# Altium PCB V1_PCB-main.PcbDoc (part 7 of 7)
Units mm, origin at the board's own origin, x right, y up, seen from the top; angles counter-clockwise.
Board outline 178 x 75 mm, 4 copper layers (Top Layer, Inner layer 1, Inner layer 2, Bottom Layer), stack 1.596 mm thick; 451 components, 230 nets, 1388 pads, 724 vias.
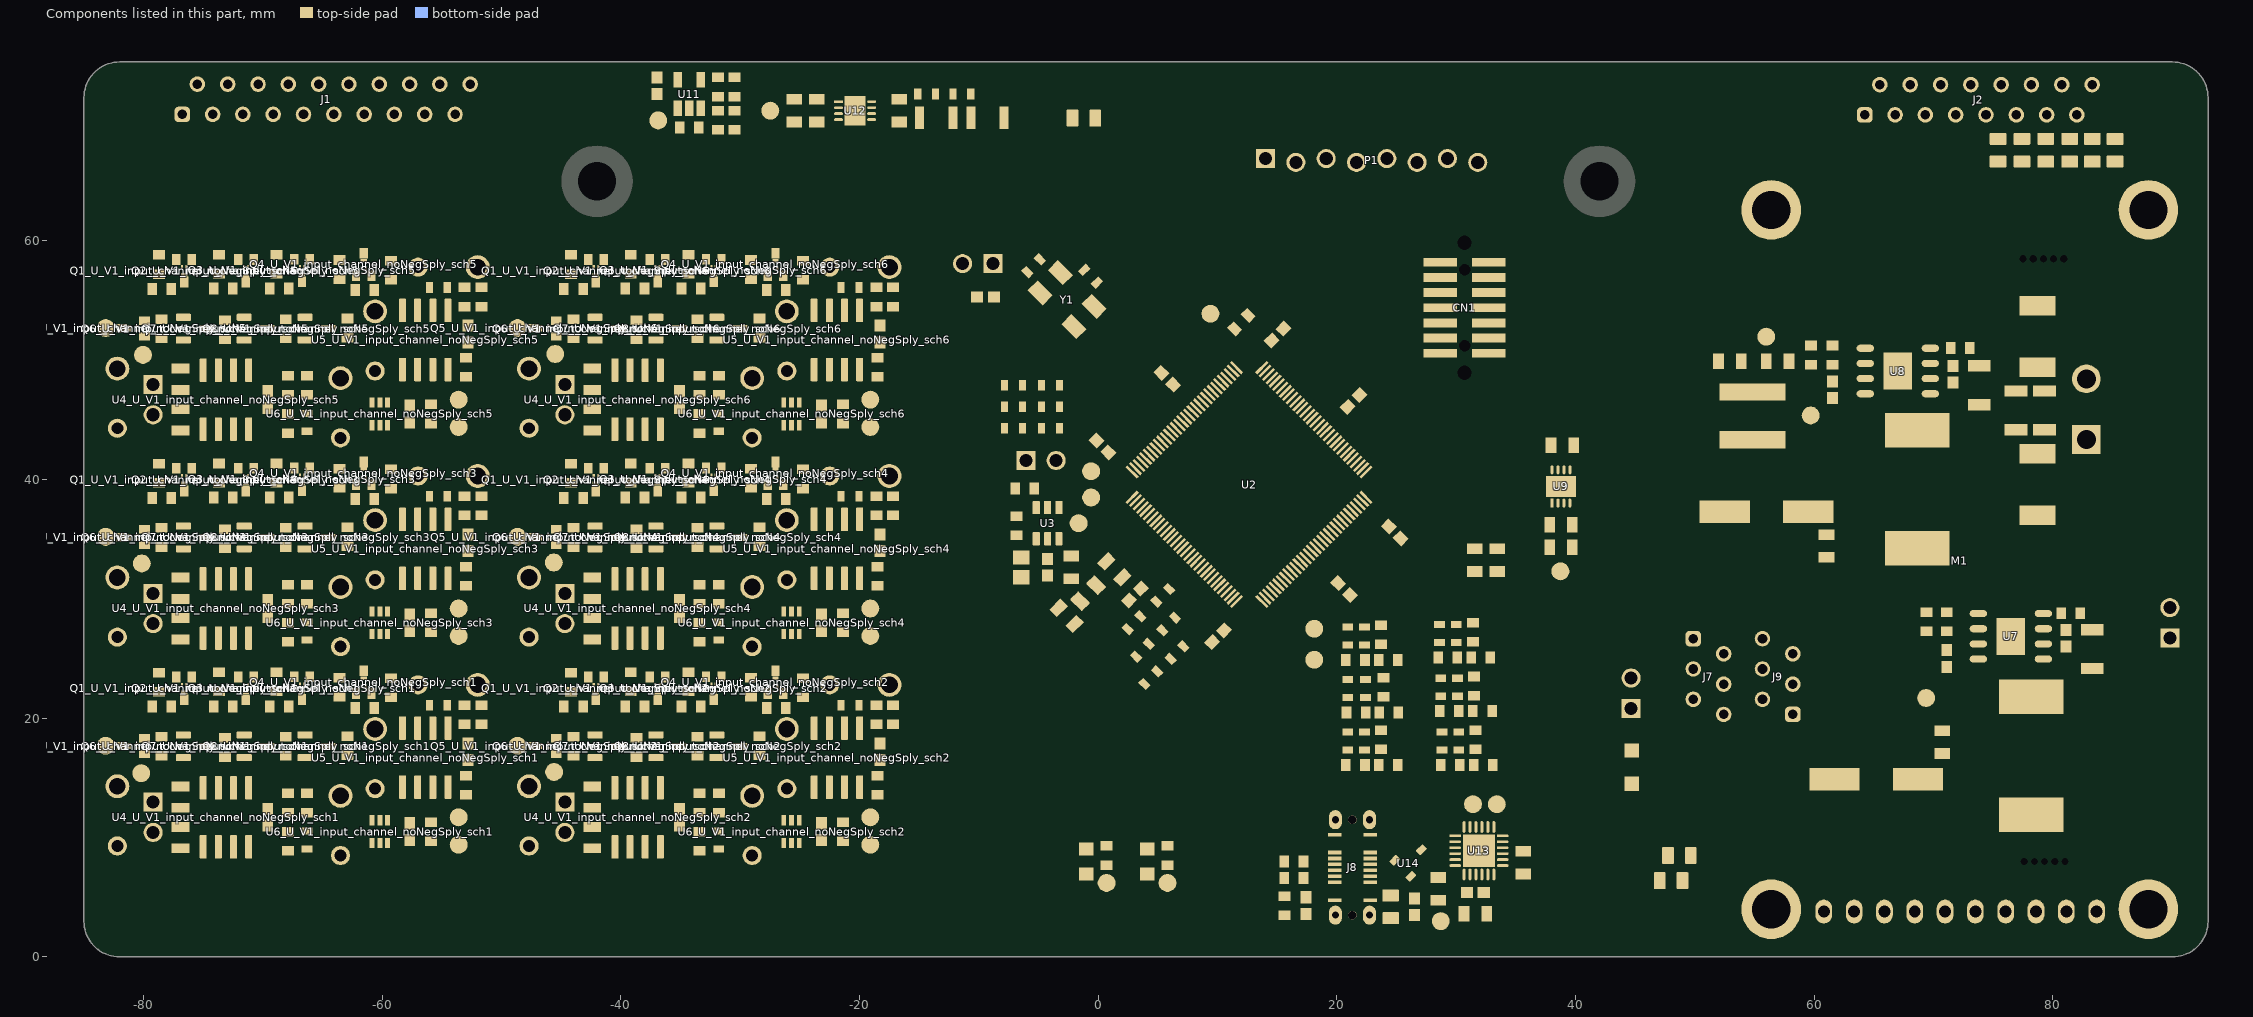
[diagram p9: the components of this part, seen from the top]

## Keep-outs
Keep-Out Layer:
  lines w0.05: 6.838,43.112 1.7,48.25 1.7,49.036 0.337,50.4 -2.584,50.4 -7.1,54.916 -7.1,57.8 -5.2,59.7 -1.6,59.7 1.7,56.4 1.7,51.9 2.7,50.9 2.7,48.4 7.15,43.95 7.475,43.95 ; 6.85,43.1 7.55,43.1 9.462,45.012 ; 8.988,45.462 7.475,43.95 ; 47,21.8 47,17.3 48.4,15.9 48.4,3.4 48.4,3.2 51.4,0.2 ; 7.475,43.95 7.475,43.95

## Other copper
Top Layer:
  region net +24V0: 81,13.475 75.8,13.475 71.675,17.6 67.825,17.6 66.5,16.275 66.5,12.325 68.45,10.375 80.975,10.375
  region net NetC31_2: 74.475,25.113 74.475,24.438 75.675,23.238 75.675,20.338 74.475,20.338 73.075,21.738 73.075,25.113
  region net +12V-NOFILTER: 51.975,42.525 56.425,38.075 56.425,36.275 58.875,36.275 60.325,34.825 63.4,34.825 65.575,32.65 71.425,32.65 71.425,36.65 69.575,38.5 65.875,38.5 60.225,44.15 51.975,44.15
  region net NetC36_2: 65,47.475 65,46.8 66.2,45.6 66.2,42.7 65,42.7 63.6,44.1 63.6,47.475

## Silkscreen, mask and mechanical layers (free items; w line width, h text height)
Top Overlay:
  lines w0.5: -84.25,24.75 -15.25,24.75 -15.25,24.5 ; -84.25,42.25 -15.25,42.25 ; -49.75,7.25 -49.75,59.5 -84.25,59.5 ; -84.25,59.5 -15.25,59.5 -15.25,7.25 -84.25,7.25 -84.25,59.5
  text "5VAN" at -29,72.409 h1
  text "DUT" at -47.55,71.726 h3
  text "LED" at 54.7,71.7 h3
  text "SWDIO" at 21.594,69.23 h1 r45
  text "RST" at 24.194,69.23 h1 r45
  text "DBGRX" at 29.194,69.23 h1 r45
  text "3V3" at 13.994,69.13 h1 r45
  text "SWCLK" at 16.494,69.13 h1 r45
  text "GND" at 19.094,69.13 h1 r45
  text "SWO" at 26.794,69.13 h1 r45
  text "DBGTX" at 31.794,69.13 h1 r45
  text "DUTOFST" at -39.9,68.209 h1
  text "LightSoak V1" at -81.1,63.496 h4
  text "CUR" at -20.9,58.709 h1
  text "CH2/B" at -83.75,58.263 h1.5
  text "CH1/A" at -49.25,58.263 h1.5
  text "+" at 91.7,56.463 h1.5
  text "BOOT" at 8.4,55.409 h1
  text "RST" at -14.2,55.213 h1.5
  text "12V" at 55.2,53.4 h1
  text "SHNT" at -24.709,50.5 h1 r90
  text "- +" at -46.236,46.3 h1 r90
  text "STLINK" at 28.5,46.013 h1.5
  text "INP" at -48.8,46 h1 r90
  text "SETP" at -17.406,45.93 h1 r45
  text "VOLT" at -27.409,44.9 h1 r90
  text "CUREN" at -17.906,42.93 h1 r45
  text "CH4/D" at -83.75,41.013 h1.5
  text "CH3/C" at -49.25,41.013 h1.5
  text "-" at 91.7,34.739 h2
  text "REF" at -1,34.7 h1
  text "3V3" at 40.1,32.109 h1
  text "FAN" at 91.9,27.6 h1 r90
  text "CH6/F" at -83.75,23.513 h1.5
  text "CH5/E" at -49.25,23.513 h1.5
  text "24V0" at 66,21.409 h1
  text "VBUS-PWR" at 42.516,19.85 h1 r90
  text "RX" at 30.8,14.1 h1
  text "TX" at 32.9,14.1 h1
  text "LED2" at -1.65,3.45 h1.5
  text "LED1" at 3.85,3.45 h1.5
  text "Matej Planinsek" at -81.7,1.798 h2
  text "VBUS" at 27.6,1.209 h1
Board Shape:
  drawing of 194 lines, arcs and shapes, not listed
CUTOUT:
  drawing of 154 lines, arcs and shapes, not listed

## Text inside footprints (layer, text, board x,y; h text height)
C32: Top Overlay "+" at 71.072,14.472 h1
C39: Top Overlay "+" at 61.872,36.872 h1
CN1: Bottom 3D Body "1" at 33.9,50.45 h1 r90; Bottom 3D Body "13" at 33.85,57.75 h1 r90; Bottom 3D Body "14" at 28.2,57.775 h1 r90; Bottom 3D Body "2" at 28.175,50.35 h1 r90; Top Overlay "1" at 34.225,49.675 h1.5 r90; Top Overlay "2" at 28.175,49.375 h1.5 r90; Top Overlay "13" at 34.2,58.8 h1.5 r90; Top Overlay "14" at 28.15,58.8 h1.5 r90
M1: Mechanical 847 "VIN" at 61.25,5.25 h1 r90; Mechanical 847 "GND" at 63.75,5.25 h1 r90; Mechanical 847 "IO1" at 66.5,5.25 h1 r90; Mechanical 847 "IO2" at 69,5.25 h1 r90; Mechanical 847 "IO3" at 71.5,5.25 h1 r90; Mechanical 847 "IO4" at 74,5.25 h1 r90; Mechanical 847 "RX" at 76.5,5.25 h1 r90; Mechanical 847 "TX" at 79,5.25 h1 r90; Mechanical 847 "CANH" at 81.5,5.25 h1 r90; Mechanical 847 "CANL" at 84,5.25 h1 r90; Mechanical 847 "OBJ IA" at 84,58.25 h1 r90; Mechanical 847 "OBJ IB" at 81.5,58.25 h1 r90; Mechanical 847 "OBJ UA" at 79,58.25 h1 r90; Mechanical 847 "OBJ UB" at 76.5,58.25 h1 r90; Mechanical 847 "SHLD" at 74,58.25 h1 r90; Mechanical 847 "SINK TA" at 71.5,58.25 h1 r90; Mechanical 847 "SINK TB" at 69,58.25 h1 r90; Mechanical 847 "GND(NC)" at 66.5,58.25 h1 r90; Mechanical 847 "OUT-" at 63.75,58.25 h1 r90; Mechanical 847 "OUT+" at 61.25,58.25 h1 r90
P1: Top Overlay "1" at 13.811,63.854 h1.02